# Allegro board LED_FIN.brd (continued)
## Placement (name value [footprint] x y rotation side) (continued)
DS  1N5819  [SS14]  22 19.3 270 top
DS1  1N5819  [SS14]  28.5 37.05 0 top
J1  -  [DIP_40X2]  74.1 93.15 0 top
J2  -  [DIP_40X2]  239.2 93.15 0 top
J3  -  [DIP_40X2]  233.95 131.5 270 top
J4  -  [DIP_40X2]  181.95 131.5 270 top
J5  -  [DIP_40X2]  129.95 131.5 270 top
J6  -  [DIP_40X2]  234.05 40.25 90 bottom
J7  -  [DIP_40X2]  182.05 40.25 90 bottom
J8  -  [DIP_40X2]  130.05 40.25 90 bottom
J10  Stitch  [STITCH_1D3]  154.05 5.9 0 top
J11  Stitch  [STITCH_1D3]  162.65 5.9 0 top
J12  Stitch  [STITCH_1D3]  150.8 5.9 0 top
J13  Stitch  [STITCH_1D3]  159.3 5.9 0 top
L1  1.8uH  [SMD_0402_L]  28.15 22.15 270 top
M1  -  [NTK3134N-D]  28.3 17.05 0 top
M2  -  [NTK3134N-D]  28.3 30 0 top
R1  16-Ohm 0402  [SMD_0402]  38.25 159.95 0 top
R2  16-Ohm 0402  [SMD_0402]  40.25 159.95 0 top
R3  16-Ohm 0402  [SMD_0402]  42.25 159.95 0 top
R4  16-Ohm 0402  [SMD_0402]  44.25 159.95 0 top
R5  16-Ohm 0402  [SMD_0402]  46.25 159.95 0 top
R6  16-Ohm 0402  [SMD_0402]  48.25 159.95 0 top
R7  16-Ohm 0402  [SMD_0402]  50.25 159.95 0 top
R8  16-Ohm 0402  [SMD_0402]  52.25 159.95 0 top
R9  16-Ohm 0402  [SMD_0402]  54.25 159.95 0 top
R10  16-Ohm 0402  [SMD_0402]  56.25 159.95 0 top
R11  16-Ohm 0402  [SMD_0402]  58.25 159.95 0 top
R12  16-Ohm 0402  [SMD_0402]  60.25 159.95 0 top
R13  16-Ohm 0402  [SMD_0402]  62.25 159.95 0 top
R14  16-Ohm 0402  [SMD_0402]  64.25 159.95 0 top
R15  16-Ohm 0402  [SMD_0402]  66.25 159.95 0 top
R16  16-Ohm 0402  [SMD_0402]  68.25 159.95 0 top
R17  16-Ohm 0402  [SMD_0402]  70.25 159.95 0 top
R18  16-Ohm 0402  [SMD_0402]  72.25 159.95 0 top
R19  16-Ohm 0402  [SMD_0402]  74.25 159.95 0 top
R20  16-Ohm 0402  [SMD_0402]  76.25 159.95 0 top
R21  16-Ohm 0402  [SMD_0402]  78.25 159.95 0 top
R22  16-Ohm 0402  [SMD_0402]  80.25 159.95 0 top
R23  16-Ohm 0402  [SMD_0402]  82.25 159.95 0 top
R24  16-Ohm 0402  [SMD_0402]  84.25 159.95 0 top
R25  16-Ohm 0402  [SMD_0402]  86.25 159.95 0 top
R26  16-Ohm 0402  [SMD_0402]  88.25 159.95 0 top
R27  16-Ohm 0402  [SMD_0402]  90.25 159.95 0 top
R28  16-Ohm 0402  [SMD_0402]  92.25 159.95 0 top
R29  16-Ohm 0402  [SMD_0402]  94.25 159.95 0 top
R30  16-Ohm 0402  [SMD_0402]  96.25 159.95 0 top
R31  16-Ohm 0402  [SMD_0402]  98.25 159.95 0 top
R32  16-Ohm 0402  [SMD_0402]  100.25 159.95 0 top
R33  16-Ohm 0402  [SMD_0402]  102.25 159.95 0 top
R34  16-Ohm 0402  [SMD_0402]  104.25 159.95 0 top
R35  16-Ohm 0402  [SMD_0402]  106.25 159.95 0 top
R36  16-Ohm 0402  [SMD_0402]  108.25 159.95 0 top
R37  16-Ohm 0402  [SMD_0402]  110.25 159.95 0 top
R38  16-Ohm 0402  [SMD_0402]  112.25 159.95 0 top
R39  16-Ohm 0402  [SMD_0402]  114.25 159.95 0 top
R40  16-Ohm 0402  [SMD_0402]  116.25 159.95 0 top
R41  16-Ohm 0402  [SMD_0402]  118.25 159.95 0 top
R42  16-Ohm 0402  [SMD_0402]  120.25 159.95 0 top
R43  16-Ohm 0402  [SMD_0402]  122.25 159.95 0 top
R44  16-Ohm 0402  [SMD_0402]  124.25 159.95 0 top
R45  16-Ohm 0402  [SMD_0402]  126.25 159.95 0 top
R46  16-Ohm 0402  [SMD_0402]  128.25 159.95 0 top
R47  16-Ohm 0402  [SMD_0402]  130.25 159.95 0 top
R48  16-Ohm 0402  [SMD_0402]  132.25 159.95 0 top
R49  16-Ohm 0402  [SMD_0402]  134.25 159.95 0 top
R50  16-Ohm 0402  [SMD_0402]  136.25 159.95 0 top
R51  16-Ohm 0402  [SMD_0402]  138.25 159.95 0 top
R52  16-Ohm 0402  [SMD_0402]  140.25 159.95 0 top
R53  16-Ohm 0402  [SMD_0402]  142.25 159.95 0 top
R54  16-Ohm 0402  [SMD_0402]  144.25 159.95 0 top
R55  16-Ohm 0402  [SMD_0402]  146.25 159.95 0 top
R56  16-Ohm 0402  [SMD_0402]  148.25 159.95 0 top
R57  16-Ohm 0402  [SMD_0402]  150.25 159.95 0 top
R58  16-Ohm 0402  [SMD_0402]  152.25 159.95 0 top
R59  16-Ohm 0402  [SMD_0402]  154.25 159.95 0 top
R60  16-Ohm 0402  [SMD_0402]  156.25 159.95 0 top
R61  16-Ohm 0402  [SMD_0402]  158.25 159.95 0 top
R62  16-Ohm 0402  [SMD_0402]  160.25 159.95 0 top
R63  16-Ohm 0402  [SMD_0402]  162.25 159.95 0 top
R64  16-Ohm 0402  [SMD_0402]  164.25 159.95 0 top
R65  16-Ohm 0402  [SMD_0402]  166.25 159.95 0 top
R66  16-Ohm 0402  [SMD_0402]  168.25 159.95 0 top
R67  16-Ohm 0402  [SMD_0402]  170.25 159.95 0 top
R68  16-Ohm 0402  [SMD_0402]  172.25 159.95 0 top
R69  16-Ohm 0402  [SMD_0402]  174.25 159.95 0 top
R70  16-Ohm 0402  [SMD_0402]  176.25 159.95 0 top
R71  16-Ohm 0402  [SMD_0402]  178.25 159.95 0 top
R72  16-Ohm 0402  [SMD_0402]  180.25 159.95 0 top
R73  16-Ohm 0402  [SMD_0402]  182.25 159.95 0 top
R74  16-Ohm 0402  [SMD_0402]  184.25 159.95 0 top
R75  16-Ohm 0402  [SMD_0402]  186.25 159.95 0 top
R76  16-Ohm 0402  [SMD_0402]  188.25 159.95 0 top
R77  16-Ohm 0402  [SMD_0402]  190.25 159.95 0 top
R78  16-Ohm 0402  [SMD_0402]  192.25 159.95 0 top
R79  16-Ohm 0402  [SMD_0402]  194.25 159.95 0 top
R80  16-Ohm 0402  [SMD_0402]  196.25 159.95 0 top
R81  16-Ohm 0402  [SMD_0402]  198.25 159.95 0 top
R82  16-Ohm 0402  [SMD_0402]  200.25 159.95 0 top
R83  16-Ohm 0402  [SMD_0402]  202.25 159.95 0 top
R84  16-Ohm 0402  [SMD_0402]  204.25 159.95 0 top
R85  16-Ohm 0402  [SMD_0402]  206.25 159.95 0 top
R86  16-Ohm 0402  [SMD_0402]  208.25 159.95 0 top
R87  16-Ohm 0402  [SMD_0402]  210.25 159.95 0 top
R88  16-Ohm 0402  [SMD_0402]  212.25 159.95 0 top
R89  16-Ohm 0402  [SMD_0402]  214.25 159.95 0 top
R90  16-Ohm 0402  [SMD_0402]  216.25 159.95 0 top
R91  16-Ohm 0402  [SMD_0402]  218.25 159.95 0 top
R92  16-Ohm 0402  [SMD_0402]  220.25 159.95 0 top
R93  16-Ohm 0402  [SMD_0402]  222.25 159.95 0 top
R94  16-Ohm 0402  [SMD_0402]  224.25 159.95 0 top
R95  16-Ohm 0402  [SMD_0402]  226.25 159.95 0 top
R96  16-Ohm 0402  [SMD_0402]  228.25 159.95 0 top
R97  16-Ohm 0402  [SMD_0402]  230.25 159.95 0 top
R98  16-Ohm 0402  [SMD_0402]  232.25 159.95 0 top
R99  16-Ohm 0402  [SMD_0402]  234.25 159.95 0 top
R100  16-Ohm 0402  [SMD_0402]  236.25 159.95 0 top
R101  16-Ohm 0402  [SMD_0402]  238.25 159.95 0 top
R102  16-Ohm 0402  [SMD_0402]  240.25 159.95 0 top
R103  16-Ohm 0402  [SMD_0402]  242.25 159.95 0 top
R104  16-Ohm 0402  [SMD_0402]  244.25 159.95 0 top
R105  16-Ohm 0402  [SMD_0402]  246.25 159.95 0 top
R106  16-Ohm 0402  [SMD_0402]  248.25 159.95 0 top
R107  16-Ohm 0402  [SMD_0402]  250.25 159.95 0 top
R108  16-Ohm 0402  [SMD_0402]  252.25 159.95 0 top
R109  16-Ohm 0402  [SMD_0402]  254.25 159.95 0 top
R110  16-Ohm 0402  [SMD_0402]  256.25 159.95 0 top
R111  16-Ohm 0402  [SMD_0402]  258.25 159.95 0 top
R112  16-Ohm 0402  [SMD_0402]  260.25 159.95 0 top
R113  16-Ohm 0402  [SMD_0402]  262.25 159.95 0 top
R114  16-Ohm 0402  [SMD_0402]  264.25 159.95 0 top
R115  16-Ohm 0402  [SMD_0402]  266.25 159.95 0 top
R116  16-Ohm 0402  [SMD_0402]  268.25 159.95 0 top
R117  16-Ohm 0402  [SMD_0402]  270.25 159.95 0 top
R118  16-Ohm 0402  [SMD_0402]  272.25 159.95 0 top
R119  16-Ohm 0402  [SMD_0402]  274.25 159.95 0 top
R120  16-Ohm 0402  [SMD_0402]  276.25 159.95 0 top
R121  16-Ohm 0402  [SMD_0402]  38.85 101.75 180 top
R122  16-Ohm 0402  [SMD_0402]  40.85 101.75 180 top
R123  16-Ohm 0402  [SMD_0402]  42.85 101.75 180 top
R124  16-Ohm 0402  [SMD_0402]  44.85 101.75 180 top
R125  16-Ohm 0402  [SMD_0402]  46.85 101.75 180 top
R126  16-Ohm 0402  [SMD_0402]  48.85 101.75 180 top
R127  16-Ohm 0402  [SMD_0402]  50.85 101.75 180 top
R128  16-Ohm 0402  [SMD_0402]  52.85 101.75 180 top
R129  16-Ohm 0402  [SMD_0402]  54.85 101.75 180 top
R130  16-Ohm 0402  [SMD_0402]  56.85 101.75 180 top
R131  16-Ohm 0402  [SMD_0402]  58.85 101.75 180 top
R132  16-Ohm 0402  [SMD_0402]  60.85 101.75 180 top
R133  16-Ohm 0402  [SMD_0402]  62.85 101.75 180 top
R134  16-Ohm 0402  [SMD_0402]  64.85 101.75 180 top
R135  16-Ohm 0402  [SMD_0402]  66.85 101.75 180 top
R136  16-Ohm 0402  [SMD_0402]  68.85 101.75 180 top
R137  16-Ohm 0402  [SMD_0402]  70.85 101.75 180 top
R138  16-Ohm 0402  [SMD_0402]  72.85 101.75 180 top
R139  16-Ohm 0402  [SMD_0402]  74.85 101.75 180 top
R140  16-Ohm 0402  [SMD_0402]  76.85 101.75 180 top
R141  16-Ohm 0402  [SMD_0402]  78.85 101.75 180 top
R142  16-Ohm 0402  [SMD_0402]  80.85 101.75 180 top
R143  16-Ohm 0402  [SMD_0402]  82.85 101.75 180 top
R144  16-Ohm 0402  [SMD_0402]  84.85 101.75 180 top
R145  16-Ohm 0402  [SMD_0402]  86.85 101.75 180 top
R146  16-Ohm 0402  [SMD_0402]  88.85 101.75 180 top
R147  16-Ohm 0402  [SMD_0402]  90.85 101.75 180 top
R148  16-Ohm 0402  [SMD_0402]  92.85 101.75 180 top
R149  16-Ohm 0402  [SMD_0402]  94.85 101.75 180 top
R150  16-Ohm 0402  [SMD_0402]  96.85 101.75 180 top
R151  16-Ohm 0402  [SMD_0402]  98.85 101.75 180 top
R152  16-Ohm 0402  [SMD_0402]  100.85 101.75 180 top
R153  16-Ohm 0402  [SMD_0402]  102.85 101.75 180 top
R154  16-Ohm 0402  [SMD_0402]  104.85 101.75 180 top
R155  16-Ohm 0402  [SMD_0402]  106.85 101.75 180 top
R156  16-Ohm 0402  [SMD_0402]  108.85 101.75 180 top
R157  16-Ohm 0402  [SMD_0402]  110.85 101.75 180 top
R158  16-Ohm 0402  [SMD_0402]  112.85 101.75 180 top
R159  16-Ohm 0402  [SMD_0402]  114.85 101.75 180 top
R160  16-Ohm 0402  [SMD_0402]  116.85 101.75 180 top
R161  16-Ohm 0402  [SMD_0402]  118.85 101.75 180 top
R162  16-Ohm 0402  [SMD_0402]  120.85 101.75 180 top
R163  16-Ohm 0402  [SMD_0402]  122.85 101.75 180 top
R164  16-Ohm 0402  [SMD_0402]  124.85 101.75 180 top
R165  16-Ohm 0402  [SMD_0402]  126.85 101.75 180 top
R166  16-Ohm 0402  [SMD_0402]  128.85 101.75 180 top
R167  16-Ohm 0402  [SMD_0402]  130.85 101.75 180 top
R168  16-Ohm 0402  [SMD_0402]  132.85 101.75 180 top
R169  16-Ohm 0402  [SMD_0402]  134.85 101.75 180 top
R170  16-Ohm 0402  [SMD_0402]  136.85 101.75 180 top
R171  16-Ohm 0402  [SMD_0402]  138.85 101.75 180 top
R172  16-Ohm 0402  [SMD_0402]  140.85 101.75 180 top
R173  16-Ohm 0402  [SMD_0402]  142.85 101.75 180 top
R174  16-Ohm 0402  [SMD_0402]  144.85 101.75 180 top
R175  16-Ohm 0402  [SMD_0402]  146.85 101.75 180 top
R176  16-Ohm 0402  [SMD_0402]  148.85 101.75 180 top
R177  16-Ohm 0402  [SMD_0402]  150.85 101.75 180 top
R178  16-Ohm 0402  [SMD_0402]  152.85 101.75 180 top
R179  16-Ohm 0402  [SMD_0402]  154.85 101.75 180 top
R180  16-Ohm 0402  [SMD_0402]  156.85 101.75 180 top
R181  16-Ohm 0402  [SMD_0402]  158.85 101.75 180 top
R182  16-Ohm 0402  [SMD_0402]  160.85 101.75 180 top
R183  16-Ohm 0402  [SMD_0402]  162.85 101.75 180 top
R184  16-Ohm 0402  [SMD_0402]  164.85 101.75 180 top
R185  16-Ohm 0402  [SMD_0402]  166.85 101.75 180 top
R186  16-Ohm 0402  [SMD_0402]  168.85 101.75 180 top
R187  16-Ohm 0402  [SMD_0402]  170.85 101.75 180 top
R188  16-Ohm 0402  [SMD_0402]  172.85 101.75 180 top
R189  16-Ohm 0402  [SMD_0402]  174.85 101.75 180 top
R190  16-Ohm 0402  [SMD_0402]  176.85 101.75 180 top
R191  16-Ohm 0402  [SMD_0402]  178.85 101.75 180 top
R192  16-Ohm 0402  [SMD_0402]  180.85 101.75 180 top
R193  16-Ohm 0402  [SMD_0402]  182.85 101.75 180 top
R194  16-Ohm 0402  [SMD_0402]  184.85 101.75 180 top
R195  16-Ohm 0402  [SMD_0402]  186.85 101.75 180 top
R196  16-Ohm 0402  [SMD_0402]  188.85 101.75 180 top
R197  16-Ohm 0402  [SMD_0402]  190.85 101.75 180 top
R198  16-Ohm 0402  [SMD_0402]  192.85 101.75 180 top
R199  16-Ohm 0402  [SMD_0402]  194.85 101.75 180 top
R200  16-Ohm 0402  [SMD_0402]  196.85 101.75 180 top
R201  16-Ohm 0402  [SMD_0402]  198.85 101.75 180 top
R202  16-Ohm 0402  [SMD_0402]  200.85 101.75 180 top
R203  16-Ohm 0402  [SMD_0402]  202.85 101.75 180 top
R204  16-Ohm 0402  [SMD_0402]  204.85 101.75 180 top
R205  16-Ohm 0402  [SMD_0402]  206.85 101.75 180 top
R206  16-Ohm 0402  [SMD_0402]  208.85 101.75 180 top
R207  16-Ohm 0402  [SMD_0402]  210.85 101.75 180 top
R208  16-Ohm 0402  [SMD_0402]  212.85 101.75 180 top
R209  16-Ohm 0402  [SMD_0402]  214.85 101.75 180 top
R210  16-Ohm 0402  [SMD_0402]  216.85 101.75 180 top
R211  16-Ohm 0402  [SMD_0402]  218.85 101.75 180 top
R212  16-Ohm 0402  [SMD_0402]  220.85 101.75 180 top
R213  16-Ohm 0402  [SMD_0402]  222.85 101.75 180 top
R214  16-Ohm 0402  [SMD_0402]  224.85 101.75 180 top
R215  16-Ohm 0402  [SMD_0402]  226.85 101.75 180 top
R216  16-Ohm 0402  [SMD_0402]  228.85 101.75 180 top
R217  16-Ohm 0402  [SMD_0402]  230.85 101.75 180 top
R218  16-Ohm 0402  [SMD_0402]  232.85 101.75 180 top
R219  16-Ohm 0402  [SMD_0402]  234.85 101.75 180 top
R220  16-Ohm 0402  [SMD_0402]  236.85 101.75 180 top
R221  16-Ohm 0402  [SMD_0402]  238.85 101.75 180 top
R222  16-Ohm 0402  [SMD_0402]  240.85 101.75 180 top
R223  16-Ohm 0402  [SMD_0402]  242.85 101.75 180 top
R224  16-Ohm 0402  [SMD_0402]  244.85 101.75 180 top
R225  16-Ohm 0402  [SMD_0402]  246.85 101.75 180 top
R226  16-Ohm 0402  [SMD_0402]  248.85 101.75 180 top
R227  16-Ohm 0402  [SMD_0402]  250.85 101.75 180 top
R228  16-Ohm 0402  [SMD_0402]  252.85 101.75 180 top
R229  16-Ohm 0402  [SMD_0402]  254.85 101.75 180 top
R230  16-Ohm 0402  [SMD_0402]  256.85 101.75 180 top
R231  16-Ohm 0402  [SMD_0402]  258.85 101.75 180 top
R232  16-Ohm 0402  [SMD_0402]  260.85 101.75 180 top
R233  16-Ohm 0402  [SMD_0402]  262.85 101.75 180 top
R234  16-Ohm 0402  [SMD_0402]  264.85 101.75 180 top
R235  16-Ohm 0402  [SMD_0402]  266.85 101.75 180 top
R236  16-Ohm 0402  [SMD_0402]  268.85 101.75 180 top
R237  16-Ohm 0402  [SMD_0402]  270.85 101.75 180 top
R238  16-Ohm 0402  [SMD_0402]  272.85 101.75 180 top
R239  16-Ohm 0402  [SMD_0402]  274.85 101.75 180 top
R240  16-Ohm 0402  [SMD_0402]  276.85 101.75 180 top
R241  16-Ohm 0402  [SMD_0402]  38.95 11.8 180 top
R242  16-Ohm 0402  [SMD_0402]  40.95 11.8 180 top
R243  16-Ohm 0402  [SMD_0402]  42.95 11.8 180 top
R244  16-Ohm 0402  [SMD_0402]  44.95 11.8 180 top
R245  16-Ohm 0402  [SMD_0402]  46.95 11.8 180 top
R246  16-Ohm 0402  [SMD_0402]  48.95 11.8 180 top
R247  16-Ohm 0402  [SMD_0402]  50.95 11.8 180 top
R248  16-Ohm 0402  [SMD_0402]  52.95 11.8 180 top
R249  16-Ohm 0402  [SMD_0402]  54.95 11.8 180 top
R250  16-Ohm 0402  [SMD_0402]  56.95 11.8 180 top
R251  16-Ohm 0402  [SMD_0402]  58.95 11.8 180 top
R252  16-Ohm 0402  [SMD_0402]  60.95 11.8 180 top
R253  16-Ohm 0402  [SMD_0402]  62.95 11.8 180 top
R254  16-Ohm 0402  [SMD_0402]  64.95 11.8 180 top
R255  16-Ohm 0402  [SMD_0402]  66.95 11.8 180 top
R256  16-Ohm 0402  [SMD_0402]  68.95 11.8 180 top
R257  16-Ohm 0402  [SMD_0402]  70.95 11.8 180 top
R258  16-Ohm 0402  [SMD_0402]  72.95 11.8 180 top
R259  16-Ohm 0402  [SMD_0402]  74.95 11.8 180 top
R260  16-Ohm 0402  [SMD_0402]  76.95 11.8 180 top
R261  16-Ohm 0402  [SMD_0402]  78.95 11.8 180 top
R262  16-Ohm 0402  [SMD_0402]  80.95 11.8 180 top
R263  16-Ohm 0402  [SMD_0402]  82.95 11.8 180 top
R264  16-Ohm 0402  [SMD_0402]  84.95 11.8 180 top
R265  16-Ohm 0402  [SMD_0402]  86.95 11.8 180 top
R266  16-Ohm 0402  [SMD_0402]  88.95 11.8 180 top
R267  16-Ohm 0402  [SMD_0402]  90.95 11.8 180 top
R268  16-Ohm 0402  [SMD_0402]  92.95 11.8 180 top
R269  16-Ohm 0402  [SMD_0402]  94.95 11.8 180 top
R270  16-Ohm 0402  [SMD_0402]  96.95 11.8 180 top
R271  16-Ohm 0402  [SMD_0402]  98.95 11.8 180 top
R272  16-Ohm 0402  [SMD_0402]  100.95 11.8 180 top
R273  16-Ohm 0402  [SMD_0402]  102.95 11.8 180 top
R274  16-Ohm 0402  [SMD_0402]  104.95 11.8 180 top
R275  16-Ohm 0402  [SMD_0402]  106.95 11.8 180 top
R276  16-Ohm 0402  [SMD_0402]  108.95 11.8 180 top
R277  16-Ohm 0402  [SMD_0402]  110.95 11.8 180 top
R278  16-Ohm 0402  [SMD_0402]  112.95 11.8 180 top
R279  16-Ohm 0402  [SMD_0402]  114.95 11.8 180 top
R280  16-Ohm 0402  [SMD_0402]  116.95 11.8 180 top
R281  16-Ohm 0402  [SMD_0402]  118.95 11.8 180 top
R282  16-Ohm 0402  [SMD_0402]  120.95 11.8 180 top
R283  16-Ohm 0402  [SMD_0402]  122.95 11.8 180 top
R284  16-Ohm 0402  [SMD_0402]  124.95 11.8 180 top
R285  16-Ohm 0402  [SMD_0402]  126.95 11.8 180 top
R286  16-Ohm 0402  [SMD_0402]  128.95 11.8 180 top
R287  16-Ohm 0402  [SMD_0402]  130.95 11.8 180 top
R288  16-Ohm 0402  [SMD_0402]  132.95 11.8 180 top
R289  16-Ohm 0402  [SMD_0402]  134.95 11.8 180 top
R290  16-Ohm 0402  [SMD_0402]  136.95 11.8 180 top
R291  16-Ohm 0402  [SMD_0402]  138.95 11.8 180 top
R292  16-Ohm 0402  [SMD_0402]  140.95 11.8 180 top
R293  16-Ohm 0402  [SMD_0402]  142.95 11.8 180 top
R294  16-Ohm 0402  [SMD_0402]  144.95 11.8 180 top
R295  16-Ohm 0402  [SMD_0402]  146.95 11.8 180 top
R296  16-Ohm 0402  [SMD_0402]  148.95 11.8 180 top
R297  16-Ohm 0402  [SMD_0402]  150.95 11.8 180 top
R298  16-Ohm 0402  [SMD_0402]  152.95 11.8 180 top
R299  16-Ohm 0402  [SMD_0402]  154.95 11.8 180 top
R300  16-Ohm 0402  [SMD_0402]  156.95 11.8 180 top
R301  16-Ohm 0402  [SMD_0402]  158.95 11.8 180 top
R302  16-Ohm 0402  [SMD_0402]  160.95 11.8 180 top
R303  16-Ohm 0402  [SMD_0402]  162.95 11.8 180 top
R304  16-Ohm 0402  [SMD_0402]  164.95 11.8 180 top
R305  16-Ohm 0402  [SMD_0402]  166.95 11.8 180 top
R306  16-Ohm 0402  [SMD_0402]  168.95 11.8 180 top
R307  16-Ohm 0402  [SMD_0402]  170.95 11.8 180 top
R308  16-Ohm 0402  [SMD_0402]  172.95 11.8 180 top
R309  16-Ohm 0402  [SMD_0402]  174.95 11.8 180 top
R310  16-Ohm 0402  [SMD_0402]  176.95 11.8 180 top
R311  16-Ohm 0402  [SMD_0402]  178.95 11.8 180 top
R312  16-Ohm 0402  [SMD_0402]  180.95 11.8 180 top
R313  16-Ohm 0402  [SMD_0402]  182.95 11.8 180 top
R314  16-Ohm 0402  [SMD_0402]  184.95 11.8 180 top
R315  16-Ohm 0402  [SMD_0402]  186.95 11.8 180 top
R316  16-Ohm 0402  [SMD_0402]  188.95 11.8 180 top
R317  16-Ohm 0402  [SMD_0402]  190.95 11.8 180 top
R318  16-Ohm 0402  [SMD_0402]  192.95 11.8 180 top
R319  16-Ohm 0402  [SMD_0402]  194.95 11.8 180 top
R320  16-Ohm 0402  [SMD_0402]  196.95 11.8 180 top
R321  16-Ohm 0402  [SMD_0402]  198.95 11.8 180 top
R322  16-Ohm 0402  [SMD_0402]  200.95 11.8 180 top
R323  16-Ohm 0402  [SMD_0402]  202.95 11.8 180 top
R324  16-Ohm 0402  [SMD_0402]  204.95 11.8 180 top
R325  16-Ohm 0402  [SMD_0402]  206.95 11.8 180 top
R326  16-Ohm 0402  [SMD_0402]  208.95 11.8 180 top
R327  16-Ohm 0402  [SMD_0402]  210.95 11.8 180 top
R328  16-Ohm 0402  [SMD_0402]  212.95 11.8 180 top
R329  16-Ohm 0402  [SMD_0402]  214.95 11.8 180 top
R330  16-Ohm 0402  [SMD_0402]  216.95 11.8 180 top
R331  16-Ohm 0402  [SMD_0402]  218.95 11.8 180 top
R332  16-Ohm 0402  [SMD_0402]  220.95 11.8 180 top
R333  16-Ohm 0402  [SMD_0402]  222.95 11.8 180 top
R334  16-Ohm 0402  [SMD_0402]  224.95 11.8 180 top
R335  16-Ohm 0402  [SMD_0402]  226.95 11.8 180 top
R336  16-Ohm 0402  [SMD_0402]  228.95 11.8 180 top
R337  16-Ohm 0402  [SMD_0402]  230.95 11.8 180 top
R338  16-Ohm 0402  [SMD_0402]  232.95 11.8 180 top
R339  16-Ohm 0402  [SMD_0402]  234.95 11.8 180 top
R340  16-Ohm 0402  [SMD_0402]  236.95 11.8 180 top
R341  16-Ohm 0402  [SMD_0402]  238.95 11.8 180 top
R342  16-Ohm 0402  [SMD_0402]  240.95 11.8 180 top
R343  16-Ohm 0402  [SMD_0402]  242.95 11.8 180 top
R344  16-Ohm 0402  [SMD_0402]  244.95 11.8 180 top
R345  16-Ohm 0402  [SMD_0402]  246.95 11.8 180 top
R346  16-Ohm 0402  [SMD_0402]  248.95 11.8 180 top
R347  16-Ohm 0402  [SMD_0402]  250.95 11.8 180 top
R348  16-Ohm 0402  [SMD_0402]  252.95 11.8 180 top
R349  16-Ohm 0402  [SMD_0402]  254.95 11.8 180 top
R350  16-Ohm 0402  [SMD_0402]  256.95 11.8 180 top
R351  16-Ohm 0402  [SMD_0402]  258.95 11.8 180 top
R352  16-Ohm 0402  [SMD_0402]  260.95 11.8 180 top
R353  16-Ohm 0402  [SMD_0402]  262.95 11.8 180 top
R354  16-Ohm 0402  [SMD_0402]  264.95 11.8 180 top
R355  16-Ohm 0402  [SMD_0402]  266.95 11.8 180 top
R356  16-Ohm 0402  [SMD_0402]  268.95 11.8 180 top
R357  16-Ohm 0402  [SMD_0402]  270.95 11.8 180 top
R358  16-Ohm 0402  [SMD_0402]  272.95 11.8 180 top
R359  16-Ohm 0402  [SMD_0402]  274.95 11.8 180 top
R360  16-Ohm 0402  [SMD_0402]  276.95 11.8 180 top
RCOMP1  3KOhm  [SMD_0402]  18.95 22.4 90 top
RCOMP2  287Ohm  [SMD_0402]  29.6 26.7 90 top
RFBB  2.2Kom  [SMD_0402]  33.2 25 90 top
RFBT  10KOhm  [SMD_0402]  29.6 25 90 top
RPGOOD  100KOhm  [SMD_0402]  17.55 19.6 270 top
RPOWER  287Ohm  [SMD_0402]  34.25 34.9 180 top
RS  3KOhm  [SMD_0402]  29.6 28.35 90 top
SW1  Switch_6Pin  [SWITCH_6PIN]  22.8 52.55 0 top
U1  -  [FDME905PT]  35.55 394.1 270 top
U2  -  [FDME905PT]  35.55 392.1 270 top
U3  -  [FDME905PT]  35.55 390.1 270 top
U4  -  [FDME905PT]  35.55 388.1 270 top
U5  -  [FDME905PT]  35.55 386.1 270 top
U6  -  [FDME905PT]  35.55 384.1 270 top
U7  -  [FDME905PT]  35.55 382.1 270 top
U8  -  [FDME905PT]  35.55 380.1 270 top
U9  -  [FDME905PT]  35.55 378.1 270 top
U10  -  [FDME905PT]  35.55 376.1 270 top
U11  -  [FDME905PT]  35.55 374.1 270 top
U12  -  [FDME905PT]  35.55 372.1 270 top
U13  -  [FDME905PT]  35.55 370.1 270 top
U14  -  [FDME905PT]  35.55 368.1 270 top
U15  -  [FDME905PT]  35.55 366.1 270 top
U16  -  [FDME905PT]  35.55 364.1 270 top
U17  -  [FDME905PT]  35.55 362.1 270 top
U18  -  [FDME905PT]  35.55 360.1 270 top
U19  -  [FDME905PT]  35.55 358.1 270 top
U20  -  [FDME905PT]  35.55 356.1 270 top
U21  -  [FDME905PT]  35.55 354.1 270 top
U22  -  [FDME905PT]  35.55 352.1 270 top
U23  -  [FDME905PT]  35.55 350.1 270 top
U24  -  [FDME905PT]  35.55 348.1 270 top
U25  -  [FDME905PT]  35.55 346.1 270 top
U26  -  [FDME905PT]  35.55 344.1 270 top
U27  -  [FDME905PT]  35.55 342.1 270 top
U28  -  [FDME905PT]  35.55 340.1 270 top
U29  -  [FDME905PT]  35.55 338.1 270 top
U30  -  [FDME905PT]  35.55 336.1 270 top
U31  -  [FDME905PT]  35.55 334.1 270 top
U32  -  [FDME905PT]  35.55 332.1 270 top
U33  -  [FDME905PT]  35.55 330.1 270 top
U34  -  [FDME905PT]  35.55 328.1 270 top
U35  -  [FDME905PT]  35.55 326.1 270 top
U36  -  [FDME905PT]  35.55 324.1 270 top
U37  -  [FDME905PT]  35.55 322.1 270 top
U38  -  [FDME905PT]  35.55 320.1 270 top
U39  -  [FDME905PT]  277.45 318.1 270 top
U40  -  [FDME905PT]  277.45 316.1 270 top
U41  -  [FDME905PT]  277.45 314.1 270 top
U42  -  [FDME905PT]  277.45 312.1 270 top
U43  -  [FDME905PT]  277.45 310.1 270 top
U44  -  [FDME905PT]  277.45 308.1 270 top
U45  -  [FDME905PT]  277.45 306.1 270 top
U46  -  [FDME905PT]  277.45 304.1 270 top
U47  -  [FDME905PT]  277.45 302.1 270 top
U48  -  [FDME905PT]  277.45 300.1 270 top
U49  -  [FDME905PT]  277.45 298.1 270 top
U50  -  [FDME905PT]  277.45 296.1 270 top
U51  -  [FDME905PT]  277.45 294.1 270 top
U52  -  [FDME905PT]  277.45 292.1 270 top
U53  -  [FDME905PT]  277.45 290.1 270 top
U54  -  [FDME905PT]  277.45 288.1 270 top
U55  -  [FDME905PT]  277.45 286.1 270 top
U56  -  [FDME905PT]  277.45 284.1 270 top
U57  -  [FDME905PT]  277.45 282.1 270 top
U58  -  [FDME905PT]  277.45 280.1 270 top
U59  -  [FDME905PT]  277.45 278.1 270 top
U60  -  [FDME905PT]  277.45 276.1 270 top
U61  -  [FDME905PT]  277.45 274.1 270 top
U62  -  [FDME905PT]  277.45 272.1 270 top
U63  -  [FDME905PT]  277.45 270.1 270 top
U64  -  [FDME905PT]  277.45 268.1 270 top
U65  -  [FDME905PT]  277.45 266.1 270 top
U66  -  [FDME905PT]  277.45 264.1 270 top
U67  -  [FDME905PT]  277.45 262.1 270 top
U68  -  [FDME905PT]  277.45 260.1 270 top
U69  -  [FDME905PT]  277.45 258.1 270 top
U70  -  [FDME905PT]  277.45 256.1 270 top
U71  -  [FDME905PT]  277.45 254.1 270 top
U72  -  [FDME905PT]  277.45 252.1 270 top
U73  -  [FDME905PT]  277.45 250.1 270 top
U74  -  [FDME905PT]  277.45 248.1 270 top
U75  -  [FDME905PT]  277.45 246.1 270 top
U76  -  [FDME905PT]  277.45 244.1 270 top
U77  -  [FDME905PT]  35.55 186.1 270 top
U78  -  [FDME905PT]  35.55 184.1 270 top
U79  -  [FDME905PT]  35.55 182.1 270 top
U80  -  [FDME905PT]  35.55 180.1 270 top
U81  -  [FDME905PT]  35.55 178.1 270 top
U82  -  [FDME905PT]  35.55 176.1 270 top
U83  -  [FDME905PT]  35.55 174.1 270 top
U84  -  [FDME905PT]  35.55 172.1 270 top
U85  -  [FDME905PT]  35.55 170.1 270 top
U86  -  [FDME905PT]  35.55 168.1 270 top
U87  -  [FDME905PT]  277.45 242.1 270 top
U88  -  [FDME905PT]  277.45 240.1 270 top
U89  -  [FDME905PT]  277.45 238.1 270 top
U90  -  [FDME905PT]  277.45 236.1 270 top
U91  -  [FDME905PT]  277.45 234.1 270 top
U92  -  [FDME905PT]  277.45 232.1 270 top
U93  -  [FDME905PT]  277.45 230.1 270 top
U94  -  [FDME905PT]  277.45 228.1 270 top
U95  -  [FDME905PT]  277.45 226.1 270 top
U96  -  [FDME905PT]  277.45 224.1 270 top
U97  -  [FDME905PT]  277.45 222.1 270 top
U98  -  [FDME905PT]  277.45 220.1 270 top
U99  -  [FDME905PT]  277.45 218.1 270 top
U100  -  [FDME905PT]  277.45 216.1 270 top
U101  -  [FDME905PT]  277.45 214.1 270 top
U102  -  [FDME905PT]  277.45 212.1 270 top
U103  -  [FDME905PT]  277.45 210.1 270 top
U104  -  [FDME905PT]  277.45 208.1 270 top
U105  -  [FDME905PT]  277.45 206.1 270 top
U106  -  [FDME905PT]  35.55 204.1 270 top
U107  -  [FDME905PT]  35.55 202.1 270 top
U108  -  [FDME905PT]  35.55 200.1 270 top
U109  -  [FDME905PT]  35.55 198.1 270 top
U110  -  [FDME905PT]  35.55 196.1 270 top
U111  -  [FDME905PT]  35.55 194.1 270 top
U112  -  [FDME905PT]  35.55 192.1 270 top
U113  -  [FDME905PT]  35.55 190.1 270 top
U114  -  [FDME905PT]  35.55 188.1 270 top
U155  -  [NTK3134N-D]  37.9 158.25 0 top
U156  -  [NTK3134N-D]  39.9 158.25 0 top
U157  -  [NTK3134N-D]  41.9 158.25 0 top
U158  -  [NTK3134N-D]  43.9 158.25 0 top
U159  -  [NTK3134N-D]  45.9 158.25 0 top
U160  -  [NTK3134N-D]  47.9 158.25 0 top
U161  -  [NTK3134N-D]  49.9 158.25 0 top
U162  -  [NTK3134N-D]  51.9 158.25 0 top
U163  -  [NTK3134N-D]  53.9 158.25 0 top
U164  -  [NTK3134N-D]  55.9 158.25 0 top
U165  -  [NTK3134N-D]  57.9 158.25 0 top
U166  -  [NTK3134N-D]  59.9 158.25 0 top
U167  -  [NTK3134N-D]  61.9 158.25 0 top
U168  -  [NTK3134N-D]  63.9 158.25 0 top
U169  -  [NTK3134N-D]  65.9 158.25 0 top
U170  -  [NTK3134N-D]  67.9 158.25 0 top
U171  -  [NTK3134N-D]  69.9 158.25 0 top
U172  -  [NTK3134N-D]  71.9 158.25 0 top
U173  -  [NTK3134N-D]  73.9 158.25 0 top
U174  -  [NTK3134N-D]  75.9 158.25 0 top
U175  -  [NTK3134N-D]  77.9 158.25 0 top
U176  -  [NTK3134N-D]  79.9 158.25 0 top
U177  -  [NTK3134N-D]  81.9 158.25 0 top
U178  -  [NTK3134N-D]  83.9 158.25 0 top
U179  -  [NTK3134N-D]  85.9 158.25 0 top
U180  -  [NTK3134N-D]  87.9 158.25 0 top
U181  -  [NTK3134N-D]  89.9 158.25 0 top
U182  -  [NTK3134N-D]  91.9 158.25 0 top
U183  -  [NTK3134N-D]  93.9 158.25 0 top
U184  -  [NTK3134N-D]  95.9 158.25 0 top
U185  -  [NTK3134N-D]  97.9 158.25 0 top
U186  -  [NTK3134N-D]  99.9 158.25 0 top
U187  -  [NTK3134N-D]  101.9 158.25 0 top
U188  -  [NTK3134N-D]  103.9 158.25 0 top
U189  -  [NTK3134N-D]  105.9 158.25 0 top
U190  -  [NTK3134N-D]  107.9 158.25 0 top
U191  -  [NTK3134N-D]  109.9 158.25 0 top
U192  -  [NTK3134N-D]  111.9 158.25 0 top
U193  -  [NTK3134N-D]  113.9 158.25 0 top
U194  -  [NTK3134N-D]  115.9 158.25 0 top
U195  -  [NTK3134N-D]  117.9 158.25 0 top
U196  -  [NTK3134N-D]  119.9 158.25 0 top
U197  -  [NTK3134N-D]  121.9 158.25 0 top
U198  -  [NTK3134N-D]  123.9 158.25 0 top
U199  -  [NTK3134N-D]  125.9 158.25 0 top
U200  -  [NTK3134N-D]  127.9 158.25 0 top
U201  -  [NTK3134N-D]  129.9 158.25 0 top
U202  -  [NTK3134N-D]  131.9 158.25 0 top
U203  -  [NTK3134N-D]  133.9 158.25 0 top
U204  -  [NTK3134N-D]  135.9 158.25 0 top
U205  -  [NTK3134N-D]  137.9 158.25 0 top
U206  -  [NTK3134N-D]  139.9 158.25 0 top
U207  -  [NTK3134N-D]  141.9 158.25 0 top
U208  -  [NTK3134N-D]  143.9 158.25 0 top
U209  -  [NTK3134N-D]  145.9 158.25 0 top
U210  -  [NTK3134N-D]  147.9 158.25 0 top
U211  -  [NTK3134N-D]  149.9 158.25 0 top
U212  -  [NTK3134N-D]  151.9 158.25 0 top
U213  -  [NTK3134N-D]  153.9 158.25 0 top
U214  -  [NTK3134N-D]  155.9 158.25 0 top
U215  -  [NTK3134N-D]  157.9 158.25 0 top
U216  -  [NTK3134N-D]  159.9 158.25 0 top
U217  -  [NTK3134N-D]  161.9 158.25 0 top
U218  -  [NTK3134N-D]  163.9 158.25 0 top
